# Altium PCB B38_PCB.PcbDoc (part 2 of 2)
Units mil, origin at the board's own origin, x right, y up, seen from the top; angles counter-clockwise.
Board outline 3051.18 x 3503.94 mil, 2 copper layers (Top Layer, Bottom Layer), stack 42.17 mil thick; 131 components, 125 nets, 478 pads, 141 vias.
Unrouted connection lines stored in the file: 3.
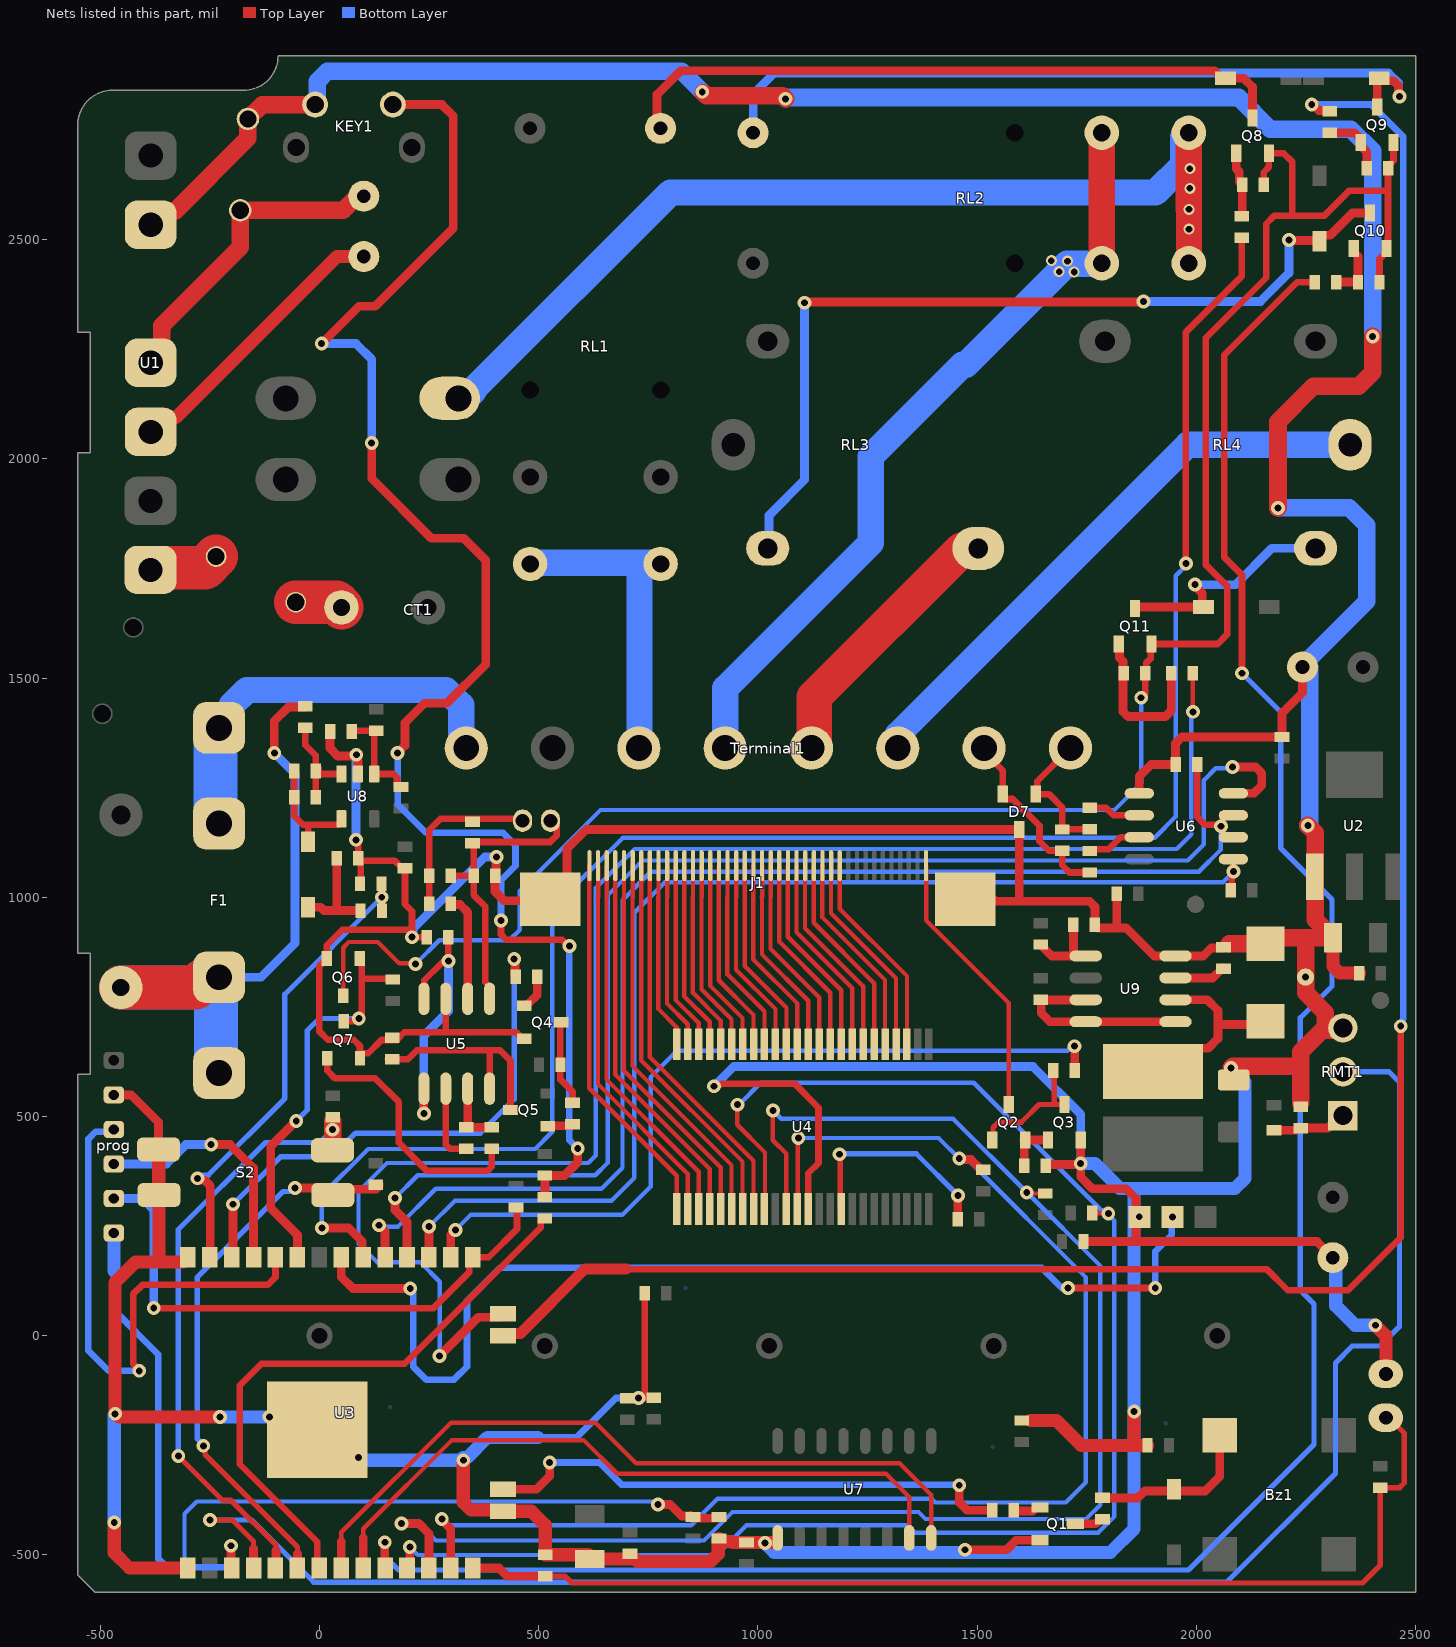
[diagram p2: the nets of this part, all layers, seen from the top]

## Via types
v1: diameter 31.5, hole 15.75, Top Layer to Bottom Layer, tented both sides, 118 vias
v2: diameter 25, hole 15, Top Layer to Bottom Layer, tented both sides, 19 vias
v3: diameter 23.62, hole 15.75, Top Layer to Bottom Layer, tented bottom, 3 vias
v4: diameter 25, hole 15, Top Layer to Bottom Layer, 1 vias

## Nets (pads, with @x,y where several pads share a name; then routed paths per layer and width w, separated by ;. In a path a pad name is that pad's centre, name@x,y a point inside that pad or via, vN(x,y) a via of type N, cw(c..) or ccw(c..) an arc to the next point about the centre after c; other vN are vias at no path point) (continued)
GND: C1.2 C3.1 C4.1 C5.1 C6.2 C7.1 C8.1 C9.1 C10.2 C13.2 C14.2 C15.1 C16.1 C17.2 C18.1 C19.1 C20.1 C21.1 C22.1 C23.2 C24.2 C26.2 C27.2 C28.2 CY2.2 D7.3 D9.1 GND1.1 J1.0 KEY1.1 pad.4 prog.2 Q1.2 Q3.2 Q4.2 Q6.2 Q7.2 R10.1 R15.2 R30.2 R39.1 R40.1 R43.2 RMT1.3 S1.2 S2.3 S2.4 U1.5 U2.1 U3.0 U3.1 U3.15 U3.38 U4.13 U5.3 U6.5 U7.9 U8.2 U9.4 | length 20670.7
  Top Layer w10: S2.4@-366.53,321.53 S2.4@-366,321 ; C13.2@400.5,1049 C13.2@402.25,1050.75 ; v1@402.25,1090.25 v1(404,1092) ; J1.0@523.06,992 J1.0@526.28,995.23 ; J1.0@1472.74,995.23 1482.51,1005 1489.51,998 J1.0@1534,998
  Top Layer w15: v1(83,1131) 83,1125 88.5,1119.5 C26.2@88.5,1089 ; C26.2@90.31,1083 90.31,1082.27 94.32,1078.26 R39.1@94.32,1036 ; Q7.2@92.4,632.68 Q7.2@92.4,637.6 ; C26.2@94.32,1083 172,1083 186.69,1068.31 193.19,1068.31 C24.2@195,1066.5 195,984 211,968 v1(211,909) C14.2@244.5,909 ; 208.8,926 52,926 16.6,890.6 16.6,855.4 12.29,851.09 7.79,851.09 -1,842.3 -1,695 19,675 78,675 92.4,660.6 Q7.2@92.4,637.6 ; U5.3@288.12,768.36 288.12,692 ; Q4.2@466.68,677.6 461.76,677.6 454.95,684.41 454.95,686.14 449.09,692 288.12,692 ; v1(727.6,-142) 741.33,-142 741.5,-141.83 C21.1@741.5,97 ; v1(900,569) 903.16,572.16 914.19,572.16 917.03,575 1083,575 1138,520 1138,393.54 1114.88,370.42 U4.13@1114.88,288.82 ; Q7.2@92.4,637.6 99.21,644.41 111.41,644.41 141.5,674.5 175.92,674.5 193.42,692 288.12,692
  Top Layer w20: prog.2@-469,549.22 -468.91,549.13 -429.13,549.13 -367.03,487.03 S2.3@-367,425 ; R40.1@24.17,1372 24.17,1339.83 42,1322 v1@77,1322 ; U8.2@87.54,1281.18 v1@87.54,1311.46 ; C13.2@400.5,1049 400.5,1012.5 421,992 J1.0@523.06,992 ; C13.2@402.25,1050.75 v1@402.25,1090.25 ; J1.0@526.28,995.23 564.63,1033.57 564.63,1110.63 608.65,1154.65 D7.3@1596,1154.65 1596,991 ; v1(1472,-488) 1567,-488 1588.6,-466.4 Q1.2@1642.96,-466.4 ; J1.0@1534,998 1541,991 1596,991 ; C22.1@1601.39,-193.18 1622.06,-193.18 ; R10.1@1656.5,390.8 1733.8,390.8 v1(1736,393) ; Q3.2@1738,448.25 1736.2,446.45 1736.2,393.2 v1(1736,393) ; C10.2@1742.5,215 1862,215 ; 1818.5,936 C15.1@1818.5,1008 ; U6.5@1869.72,1237 1869.72,1275.72 1897,1303 R30.2@1952.5,1303 1952.5,1351.5 1966.5,1365.5 C3.1@2195,1365.5 2195,1420.01 2242.12,1467.13 C1.2@2242.12,1525 ; C27.2@2075.16,894.5 2066.82,886.16 C27.2@2061.89,886.16 2060.08,884.35 2033.63,884.35 2015.46,866.18 U9.4@1952.27,866.18 1903.82,866.18 1839.97,930.03 1775.52,930.03 1775.12,930.43 1770.2,930.43 1768.39,932.24 R43.2@1768.39,937.16 1768.39,978.61 1756,991 1596,991 ; D9.1@2157,894.5 D9.1@2170.5,908 ; 2248.89,902.89 2254,908 ; C6.2@2311.02,189.69 2300.04,189.69 2274.72,215 1862,215 ; v1(1736,393) 1736,362 1762.5,335.5 1839.5,335.5 1862,313 1862,215
  Top Layer w30: v1(-468,-426) -468,-495 -433.28,-529.72 U3.1@-300.4,-529.72 ; S2.4@-366.53,321.53 S2.3@-366.53,424.53 ; -366.03,172 S2.4@-366,321 ; U3.38@-300.4,178.94 -300.4,173.04 -303.12,170.32 -309.02,170.32 -311.34,168 -420,168 -466.29,121.71 -466.29,-177.71 -465.71,-178.29 -463.97,-178.29 -457.25,-185 v1(-227,-185) ; v1@328,-284.4 328,-379.94 345.57,-397.51 415.94,-397.51 U3.15@418.65,-400.23 483.23,-400.23 515,-432 C16.1@515,-499.5 613.32,-499.5 C9.1@616,-502.18 ; C9.1@616,-509.18 719.68,-509.18 725.5,-515 891.66,-515 909.26,-497.4 909.26,-464.23 C7.1@911,-462.5 917.81,-469.31 940.07,-469.31 942.26,-471.5 C23.2@974,-471.5 U7.9@1038.71,-471.5 ; 1622.06,-193.18 1680.19,-193.18 1737,-250 1858,-250 ; v1(1858,-173) 1858,-250 ; C18.1@1888.5,-250 1858,-250 ; C4.1@2311.82,908 2311.82,842.18 2326.92,827.08 C5.1@2371.2,827.08 ; v1(2408,24) 2432,0 S1.2@2432,-87
  Top Layer w40: U1.5@-374.71,2519.25 -374.71,2536.22 -346.52,2564.41 -329.55,2564.41 -163.25,2730.71 CY2.2@-163.25,2775.24 -130.61,2807.88 KEY1.1@-9.85,2807.88 ; v1@875,2835 882,2828 1056,2828 v1(1063,2821) ; C27.2@2075.16,894.5 D9.1@2157,894.5 ; v1(2079,611) 2083,615 2238,615 ; D9.1@2170.5,908 2254,908 C4.1@2311.82,908 2311.82,920.8 2311.15,921.46 2298.35,921.46 2271,948.82 2271,1147 v1(2254,1164) ; v1(2186,1888) 2186,2085 2266,2165 2370,2165 2402,2197 v1(2402,2279) ; C17.2@2238,531.46 2238,615 ; 2248.89,902.89 v3(2248.89,817.95) 2248.89,781.97 2293.86,737 2293.86,703.86 2286.85,696.85 ; RMT1.3@2334,702 2328.85,696.85 2286.85,696.85 ; 2238,615 2238,648 2274.51,684.51 2286.85,696.85
  Bottom Layer w10: v1@83,1324 v1(84,1325)
  Bottom Layer w15: 498.56,-231.99 586.01,-231.99 676,-142 v1(727.6,-142)
  Bottom Layer w20: v1(83,1131) v1@83,1324 ; v1(211,909) 213.2,911.2 213.2,928.2 377,1092 v1(404,1092) ; v1(900,569) 945,614 1627,614 1736,505 v1(1736,393)
  Bottom Layer w30: v1(-468,-426) -468,-180.4 v1@-466,-178.4 ; v1@-226.97,-184.97 v1(-113.84,-184.93) ; v1(89,-278) 89.4,-278 95.4,-284 v1(328,-284) ; v1@328,-278 337,-278 383.01,-231.99 498.56,-231.99 ; v1(1016,-473) 1037,-494 1255,-494 1804,-494 1858,-440 v1(1858,-173) 1858,336 ; v1(1736,393) 1768,393 1825,336 1858,336 ; v1(2079,611) 2111,579 2111,359 2088,336 1858,336 ; C6.2@2317.89,174.59 2317.89,68.11 2362,24 v1(2408,24)
  Bottom Layer w40: KEY1.1@-9.85,2807.88 -5.27,2812.46 -5.27,2860.57 18.16,2884 826,2884 v1(873,2837) ; v1(1063,2821) 1066,2824 2096.12,2824 2168.12,2752 2352.12,2752 2402,2702.12 v1(2402,2279) ; v1(2186,1888) 2349,1888 2388.58,1848.42 2388.58,1675.2 2250.33,1536.95 2250.33,1531.04 C1.2@2256.38,1525 ; v1(2254,1164) 2258,1168 C1.2@2258,1525
  other v1: -466,-178
  other v4: 1870,271
GND-RELAY: Q6.3 Q8.2 Q9.2 Q10.2 Q11.2 R23.2 R24.2 R25.2 R26.2 | length 4603.6
  Top Layer w10: Q6.3@54,775.68 54,885 67,898 133,898 181.76,849.24 217.76,849.24 v1(219,848)
  Top Layer w15: v1(1874,1455) 1883.5,1464.5 R26.2@1883.5,1511 1885.31,1512.81 1885.31,1534.36 1895.59,1544.64 1895.59,1575.83 Q11.2@1897.4,1577.65 2048.65,1577.65 2070,1599 2070,1710 2021,1759 2021,2275 2159,2413 2159,2536 2177,2554 2219,2554 ; R23.2@2153.5,2625 2153.5,2653.5 2165.4,2665.4 Q8.2@2165.4,2696.65 2199.35,2696.65 2219,2677 2219,2554 ; R25.2@2417.5,2403 2417.5,2455.87 2435.21,2473.58 2435.21,2498.81 2436.93,2500.52 2436.93,2611 ; Q9.2@2449.4,2721.65 2449.4,2679.83 2436.93,2667.35 2436.93,2611 ; 2219,2554 2291,2554 2348,2611 2436.93,2611
  Bottom Layer w10: v1(219,848) 273,902 433,902 457,926 457,1015 641,1199 1813,1199 1874,1260 v1(1874,1455)
GPIO0: prog.5 R4.1 U3.25 | length 1297.4
  Top Layer w10: prog.5@-469,313 prog.5@-466,313
  Top Layer w15: v1(-378,63) 260.01,63 341.2,144.18 341.2,170.54 U3.25@349.6,178.94 385.94,178.94 450.41,243.41 450.41,290.09 R4.1@448,292.5
  Bottom Layer w20: prog.5@-469,313 -404,313 -378,287 v1(-378,63)
LCD-CATHODE: J1.1 Q2.3 | length 622.8
  Top Layer w10: J1.1@1383.37,1072 1383.37,947.63 1572,759 Q2.3@1572,527.35
NetBz1_2: Bz1.2 D2.1 R1.1 | length 381.3
  Top Layer w20: R1.1@1785.81,-369.75 1866.25,-369.75 1882,-354 1949,-354 2020,-354 2053.17,-320.83 Bz1.2@2053.17,-227.18
NetC2_1: C2.1 U1.3 | length 614.9
  Top Layer w30: U1.3@-360,2061.52 -360,2075.79 -341.9,2093.88 -327.63,2093.88 39.58,2461.1 C2.1@81,2461.1
NetC11_1: C11.1 R17.2 U5.7 | length 147.4
  Top Layer w20: U5.7@338,563.64 338,478.49 C11.1@335,475.5 R17.2@393,475.5
NetC11_2: C11.2 U5.6 | length 178.6
  Top Layer w15: U5.6@288,563.64 288,436 297.5,426.5 C11.2@335,426.5
NetC12_1: C12.1 CT1.2 R16.2 R18.1 | length 413.7
  Top Layer w15: R16.2@250.5,977 R18.1@250.5,1049 250.5,1153.5 276,1179 CT1.2@477.16,1179
NetC12_2: C12.2 C13.1 CT1.1 R18.2 U5.1 | length 660.5
  Top Layer w15: R18.2@299.5,1049 C13.1@351.5,1049 ; U5.1@388,768.36 388,796.22 378,806.22 378,979 351.5,1005.5 C13.1@351.5,1049 ; CT1.1@540.9,1179 540.9,1140.9 526,1126 351.5,1126 C12.2@349,1123.5 351.5,1121 C13.1@351.5,1049
NetC14_1: C14.1 U5.4 U5.5 | length 616.6
  Top Layer w15: U5.4@238.12,749.76 239.1,750.75 239.1,810.65 279.33,850.89 289.89,850.89 v1(294,855) 293.75,855.25 293.75,908.74 C14.1@293.5,909
  Top Layer w20: v1(238,507) U5.5@238,563.64
  Bottom Layer w20: v1(238,507) 238,684.24 294,740.24 v1(294,855)
NetC16_2: C16.2 R32.1 S1.1 U3.14 | length 2507.5
  Top Layer w12: C16.2@515,-548.5 515.24,-548.73 560.73,-548.73 576,-564 2379,-564 2419,-524 R32.1@2419,-346.5 2463.5,-346.5 2474,-336 2474,-222.11 2446.89,-195 2440,-195 S1.1@2432,-187
  Top Layer w20: U3.14@349.6,-529.72 409.14,-529.72 427.92,-548.5 C16.2@515,-548.5
NetC17_1: C17.1 L2.1 RMT1.1 | length 162
  Top Layer w20: L2.1@2177,468.91 2228.48,468.91 2233.08,473.5 C17.1@2238,473.5 2299.5,473.5 2310.54,484.54 RMT1.1@2310.54,506.54
NetC25_1: C25.1 R35.1 R36.2 U8.3 | length 242.6
  Top Layer w15: R36.2@-32.34,1386.5 -32.34,1347.34 -8.5,1323.5 C25.1@-8.5,1287.87 ; R35.1@-8.5,1227.87 -8.5,1287.45 -1.69,1294.26 -1.69,1281.18 U8.3@50.14,1281.18
NetC25_2: C25.2 D8.1 R35.2 U8.4 | length 268.2
  Top Layer w15: C25.2@-57.5,1287.87 R35.2@-57.5,1227.87 -57.5,1185.5 -37,1165 -22,1165 ; D8.1@-26,1126.8 -26,1161 -22,1165 ; U8.4@50.14,1178.82 50.14,1173.81 43.33,1167 43.33,1165 -22,1165
NetC26_1: C26.1 D8.2 R52.2 | length 246.9
  Top Layer w20: D8.2@-31,977.2 2.5,977.2 9.7,970 39.5,970 ; C26.1@39.5,1089 39.5,970 ; R52.2@93.5,969 92.5,970 39.5,970
NetC27_1: C27.1 U9.3 | length 117.3
  Top Layer w20: U9.3@1952.27,816.18 2037.1,816.18 2055.16,834.24 2055.16,835.35 2058.48,838.67 C27.1@2059.59,838.67
NetD3_1: D3.1 Q8.3 RL1.1 | length 1543.5
  Top Layer w20: RL1.1@770,2753.85 770,2831 824,2885 2041.32,2885 2058.32,2868 2108,2868 2128,2848 Q8.3@2128,2777.35
NetD4_1: D4.1 Q9.3 RL2.1 | length 1764.3
  Top Layer w20: Q9.3@2412,2802.35 2412.4,2802.76 2412.4,2867.6 D4.1@2412.8,2868 ; D4.1@2416.8,2868 2422.55,2862.25 2448.97,2862.25 2460.8,2850.42 2460.8,2828.2 v1(2463,2826)
  Bottom Layer w20: RL2.1@989,2743.64 989,2832 1037,2880 2438.16,2880 2460.8,2857.36 2460.8,2828.2 v1(2463,2826)
NetD5_1: D5.1 Q10.3 RL3.2 | length 2020.4
  Top Layer w20: v1(1106,2356) 1107.5,2357.5 1877.5,2357.5 v1(1879,2359) ; v1(2211,2499) 2212.4,2497.6 2279.6,2497.6 D5.1@2281,2496.2 2281,2504.07 2286.75,2509.82 2304.82,2509.82 2355.35,2560.35 Q10.3@2396,2560.35
  Bottom Layer w20: RL3.2@1022.21,1795.78 1025.44,1799.01 1025.44,1871.44 1106,1952 v1(1106,2356) ; v1(1879,2359) 2146,2359 2211,2424 v1(2211,2499)
NetD6_1: D6.1 Q11.3 RL4.5 | length 526.8
  Top Layer w20: Q11.3@1860,1658.35 1860,1660.19 1861.81,1662 D6.1@2016.2,1662 2013.4,1664.8 2013.4,1693.49 1997,1709.89 v1(1997,1713)
  Bottom Layer w20: v1(1997,1713) 2089,1713 2171.78,1795.78 RL4.5@2271.79,1795.78
NetD9_2: D9.2 L3.1 U9.2 | length 466
  Top Layer w20: L3.1@1896,602.68 1948.99,655.67 2026.69,655.67 2049.16,678.14 2049.16,709.99 ; U9.2@1952.27,766.18 2024.82,766.18 2049.16,741.84 2049.16,709.99 ; D9.2@2157,717.5 2149.49,709.99 2049.16,709.99
NetF1_1: F1.1 R36.1 R37.2 | length 1488.1
  Top Layer w20: v1(-103,1329) -103,1402 -71.32,1433.68 -34.15,1433.68 R36.1@-32.34,1435.49
  Top Layer w100: R37.2@-452.46,794.15 -282.56,794.15 -268.16,808.55 -238.06,808.55 F1.1@-229,817.61
  Bottom Layer w20: F1.1@-229,817.61 -133.39,817.61 -56,895 -56,1282 v1(-103,1329)
  Bottom Layer w100: R37.2@-453,794.15 -282.56,794.15 -268.16,808.55 -238.06,808.55 F1.1@-235.69,810.92 ; F1.1@-235.69,605.79 F1.1@-235.69,810.92 ; F1.1@-229,817.61 F1.1@-235.69,810.92
NetF1_2: F1.2 Terminal1.1 | length 952
  Bottom Layer w60: F1.2@-237.53,1173.84 F1.2@-229.53,1165.84 ; F1.2@-237.53,1384.34 -229.53,1384.34 -200.47,1413.4 -200.47,1437.69 -165.33,1472.84 287.97,1472.84 323.12,1437.69 323.12,1349.18 Terminal1.1@334.11,1338.2
  Bottom Layer w100: F1.2@-237.53,1173.84 F1.2@-237.53,1384.34
NetKEY1_2: KEY1.2 R33.2 R34.2 | length 3550.7
  Top Layer w15: v1(414,947) 414,914.86 425.86,903 553.39,903 567.39,889 v1(570,889)
  Top Layer w20: v1(5,2263) 90,2348 127,2348 305,2526 305,2782 279.12,2807.88 KEY1.2@167.32,2807.88 ; v1(119,2036) 119,1955 255,1819 329,1819 379,1769 379,1531 290.44,1442.44 239.44,1442.44 195,1398 195,1346.46 178,1329.46 v1(178,1329) ; R34.2@514,316.5 R33.2@514,365.5 558.5,365.5 589,396 v1(589,427)
  Bottom Layer w15: v1(178,1329) 178,1212 243,1147 418.61,1147 447,1118.61 447,1072 414,1039 v1(414,947) ; v1(570,889) 570,446 v1(589,427)
  Bottom Layer w20: v1(5,2263) 83,2263 119,2227 v1(119,2036)
NetL1_2: L1.2 NTC1.1 | length 109.3
  Top Layer w100: NTC1.1@-54.22,1673.01 38.14,1673.01 L1.2@50.15,1661
NetNTC1_2: NTC1.2 U1.1 | length 162.2
  Top Layer w100: U1.1@-385.4,1746.56 -380.28,1751.68 -261.09,1751.68 NTC1.2@-235.78,1776.99
NetQ1_1: Q1.1 R2.1 | length 60.5
  Top Layer w20: R2.1@1585.81,-399.75 1626.94,-399.75 1635.09,-391.6 Q1.1@1642.96,-391.6
NetQ1_3: Q1.3 R1.2 | length 66.4
  Top Layer w20: Q1.3@1723.67,-429 1770.62,-429 1780.89,-418.74 R1.2@1785.81,-418.74
NetQ2_1: Q2.1 Q3.3 R9.1 | length 276.3
  Top Layer w12: Q2.1@1531.6,446.65 1535.98,451.02 1535.98,474.98 1548,487 1600.39,487 1640.74,527.35 1675.44,527.35 ; 1673.5,588 1675.44,586.07 1675.44,527.35 ; Q3.3@1699,527.35 1675.44,527.35
NetQ2_2: Q2.2 Q3.1 R10.2 | length 102
  Top Layer w20: Q2.2@1606.4,446.65 Q3.1@1659.79,446.65 ; R10.2@1607.5,388 Q2.2@1607.5,436.63
NetQ4_1: Q4.1 R12.2 | length 81.8
  Top Layer w20: Q4.1@466.68,752.4 468.49,754.21 473.41,754.21 496.5,777.3 R12.2@496.5,819
NetQ4_3: Q4.3 R11.1 R13.2 | length 195.7
  Top Layer w15: Q4.3@551.32,715 549.5,713.17 R11.1@549.5,618 549.5,584.5 577,557 R13.2@577,531.5
NetQ5_1: Q5.1 R13.1 | length 51.7
  Top Layer w20: Q5.1@526.72,479 573.49,479 R13.1@577,482.5
NetQ5_3: Q5.3 R15.1 U5.8 | length 498.1
  Top Layer w15: R15.1@155.65,630.5 R15.1@166,630.5 201.59,630.5 222.09,651 388,651 ; U5.8@388.12,563.64 388.12,650.88 388,651 ; Q5.3@435.68,515 435.68,627.32 412,651 388,651
NetQ6_1: Q6.1 Q7.3 R14.2 U3.33 | length 953.2
  Top Layer w15: Q7.3@55,717.32 83.32,717.32 v1(89.66,723.66) 96,730 96,817 ; Q6.1@91.4,860.32 96,855.72 96,817 ; R14.2@164,814.5 98.5,814.5 96,817
  Top Layer w20: v1(-53,490) -111,432 -111,291 -50.4,230.4 U3.33@-50.4,178.94
  Bottom Layer w12: v1(-53,490) -28,515 -28,696 -0.34,723.66 v1(89.66,723.66)
NetQ7_1: Q7.1 R17.1 | length 596.6
  Top Layer w15: Q7.1@17.6,632.68 17.6,604.85 35.45,587 127,587 181,533 181,440 245,376 383,376 392.59,385.59 R17.1@392.59,426.1
NetQ8_1: Q8.1 R19.1 R23.1 | length 149.5
  Top Layer w20: Q8.1@2090.6,2696.65 2090.6,2661.4 2097.69,2654.31 2097.69,2631.81 R23.1@2104.5,2625 2104.5,2555 R19.1@2103,2553.5
NetQ9_1: Q9.1 R20.1 R24.1 | length 148.9
  Top Layer w20: R20.1@2304,2743.5 2360.61,2743.5 2374.6,2729.52 2374.6,2713.77 2376.41,2711.96 2376.79,2711.96 2388.5,2700.24 R24.1@2388.5,2663
NetQ10_1: Q10.1 R21.1 R25.1 | length 130.3
  Top Layer w20: R21.1@2319,2403 R25.1@2368.5,2403 2368.5,2461.87 2358.6,2471.77 Q10.1@2358.6,2479.65
NetQ11_1: Q11.1 R22.1 R26.1 | length 381.4
  Top Layer w10: Q11.1@1815.79,1592.33 1822.6,1585.52 Q11.1@1822.6,1577.65
  Top Layer w20: Q11.1@1822.6,1577.65 1824.41,1575.83 1824.41,1546.59 1832.69,1538.31 1832.69,1511 1832.69,1423.72 1844.41,1412 1929,1412 1942.5,1425.5 R22.1@1942.5,1511
NetR2_2: R2.2 U3.16 | length 1227.4
  Top Layer w20: U3.16@418.65,-350.23 494.77,-350.23 525,-320 v1(525,-289) ; v1(1459,-341) 1459,-380 1477,-398 R2.2@1534.5,-398
  Bottom Layer w15: v1(525,-289) 638,-289 688.5,-339.5 1457.5,-339.5 v1(1459,-341)
NetR5_2: R5.2 U3.11 U4.9 | length 3704.2
  Top Layer w10: v1(953,527) 953,481 1016.11,417.89 1016.11,290.05 U4.9@1014.88,288.82 ; R5.2@1762.5,280 1763.5,279 v1(1799,279)
  Top Layer w20: U3.11@199.6,-529.72 206,-523.32 v1(206,-482)
  Bottom Layer w10: v1(206,-482) 224,-500 905.9,-500 973.9,-432 1341,-432 1358,-449 1776.33,-449 1813,-412.33 1813,262.39 1799,276.39 v1(1799,279) 1793.18,279 1785.94,286.24 1782.76,286.24 1492,577 1006.61,577 956.61,527 v1(953,527)
NetR6_2: R6.2 U3.12 U4.11 | length 3527.1
  Top Layer w10: v1(1034,514) 1034,446 1064.88,415.12 U4.11@1064.88,288.82 ; v1(1612.99,327) 1615.5,324.5 R6.2@1655,324.5
  Top Layer w20: v1(187,-428) 226,-428 249.6,-451.6 U3.12@249.6,-529.72
  Bottom Layer w10: v1(187,-428) 226,-428 265,-467 877,-467 942,-402 1366,-402 1382,-418 1748.27,-418 1781,-385.27 1781,158.99 v1(1612.99,327) 1444.99,495 1053,495 v1(1034,514)
NetR7_2: R7.2 U3.13 U4.12 | length 3125.9
  Top Layer w10: U4.12@1089.84,288.82 1090.92,289.9 1090.92,449.92 v1(1092,451)
  Top Layer w20: v1(279,-418) 279,-420.29 299.6,-440.89 U3.13@299.6,-529.72 ; v1(1459,404) 1461.2,401.8 1485.77,401.8 1509.08,378.5 R7.2@1514,378.5
  Bottom Layer w10: v1(279,-418) 281.61,-418 295.61,-432 848,-432 908,-372 1396,-372 1404.29,-380.29 1701.71,-380.29 1748,-334 1748,133 1479.74,401.26 1461.74,401.26 1412,451 v1(1092,451)
NetR8_2: R8.2 U4.16 | length 490.7
  Top Layer w12: v1(1186,414) 1187.92,412.08 1187.92,290.74 U4.16@1189.84,288.82
  Top Layer w20: R8.2@1455.5,266 1455.5,319.5 v1(1456,320)
  Bottom Layer w12: v1(1186,414) 1187,415 1361,415 v1(1456,320)
NetR9_2: R9.2 U3.26 | length 1854
  Top Layer w10: v1(1722.25,660.44) v1@1722.37,660.32 ; R9.2@1722.37,605.13 R9.2@1722.5,605
  Top Layer w20: U3.26@299.6,178.94 299.6,230.6 v1(310,241) ; R9.2@1722.37,605.13 v1@1722.37,660.32
  Bottom Layer w10: v1(310,241) 344.66,275.66 690.66,275.66 755.5,340.5 755.5,589.91 815.59,650 1705.99,650 1716.43,660.44 v1(1722.25,660.44)
NetR12_1: R12.1 U3.36 | length 1223.7
  Top Layer w20: U3.36@-200.4,178.94 -197,182.34 v1(-197,300) ; v1(444,859) 445.75,857.25 445.75,820.76 R12.1@447.5,819
  Bottom Layer w12: v1(-197,300) -89,408 28,408 82,462 366.67,462 444,539.33 v1(444,859)
NetR16_1: R16.1 U5.2 | length 262.7
  Top Layer w20: R16.1@299.5,985 300.94,983.55 320.45,983.55 338.12,965.88 U5.2@338.12,749.76
NetR19_2: R19.2 U3.30 | length 4202.5
  Top Layer w15: v1(1976,1761) 1976,2289 2103,2416 R19.2@2103,2504.5
  Top Layer w20: v1(6,246) 66.31,246 97.31,214.99 97.31,181.23 U3.30@99.6,178.94
  Bottom Layer w10: v1(6,246) 5.4,246.6 5.4,320.4 111,426 492,426 531,465 531,975 692,1136 1905,1136 1953,1184 1953,1733.44 1976,1756.44 v1(1976,1761)
NetR20_2: R20.2 U3.23 | length 4979.8
  Top Layer w15: 699,152 2160,152 2208.31,103.69 2345.69,103.69 2466,224 v1(2466,706)
  Top Layer w20: v1(2263,2808) 2266.11,2808 2279.8,2794.31 2302.19,2794.31 R20.2@2304,2792.5
  Top Layer w25: U3.23@418.65,-0.23 423.87,4.99 457.99,4.99 605,152 699,152
  Bottom Layer w15: v1(2263,2808) 2398,2808 2472,2734 2472,722.61 2470.11,720.72 2470.11,710.11 v1(2466,706)
NetR21_2: R21.2 U3.10 | length 5246.1
  Top Layer w10: U3.10@149,-529.12 U3.10@149.6,-529.72
  Top Layer w15: v1(2104,1511) 2104,1735 2063,1776 2063,2236.08 2229.92,2403 R21.2@2270.01,2403
  Top Layer w20: U3.10@149,-529.12 v1(149,-471)
  Bottom Layer w12: v1(149,-471) 150.01,-472.01 150.01,-504.01 180,-534 1982,-534 2268,-248 2268,72 2237,103 2237,725.11 2309,797.11 2309,995 2192,1112 2192,1423 v1(2104,1511)
NetR22_2: R22.2 U3.24 | length 3656.8
  Top Layer w10: R22.2@1991.5,1511 1991.75,1510.75 1991.75,1423.25 v1(1992,1423)
  Top Layer w20: v1(274,-46) 362.05,42.05 410.94,42.05 U3.24@418.65,49.77
  Bottom Layer w10: v1(274,-46) 274,123 229,168 131.16,168 89,210.16 89,329 154,394 613,394 630,411 630,1021.21 718.79,1110 1955,1110 1988.49,1143.49 1988.49,1419.49 v1(1992,1423)
NetR28_1: R28.1 U6.7 | length 125.9
  Top Layer w15: R28.1@1756.88,1105.5 1760.95,1109.56 1799.56,1109.56 1827,1137 U6.7@1869.72,1137
NetR31_1: R31.1 U6.6 | length 119.8
  Top Layer w15: R31.1@1756.88,1203.92 1794.08,1203.92 1811,1187 U6.6@1869.72,1187
NetR34_1: R34.1 U3.7 | length 1354.8
  Top Layer w15: U3.7@-0.4,-529.72 -4.98,-525.14 -4.98,-470.02 -181.77,-293.23 -181.77,-113.22 -132.56,-64 194.2,-64 504.76,246.56 504.76,263.19 509.08,267.5 R34.1@514,267.5
NetR38_2: R38.2 R40.2 R51.1 U8.1 | length 231.4
  Top Layer w15: R40.2@73.5,1378 74.99,1379.5 124.74,1379.5 124.95,1379.3 U8.1@124.95,1281.18 ; U8.1@126.85,1281.18 167.98,1281.18 176.77,1272.39 176.77,1255.81 181.08,1251.5 R51.1@186,1251.5
NetR41_1: R41.1 U9.1 U9.7 U9.8 | length 447.5
  Top Layer w20: R41.1@1644.89,766.66 1645.89,765.66 R41.1@1645.89,765.49 ; U9.7@1747.55,766.18 1746.86,765.49 R41.1@1645.89,765.49 ; U9.1@1952.27,716.18 1665.87,716.18 1645.89,736.16 R41.1@1645.89,765.49
NetR42_1: R42.1 R43.1 U9.5 | length 181.5
  Top Layer w20: R42.1@1643.08,893.98 R42.1@1644.89,892.16 ; R42.1@1647.15,888.81 1669.78,866.18 U9.5@1721.66,866.18 ; U9.5@1719.4,868.49 R43.1@1719.4,937.16 ; U9.5@1722.09,868.49 1724.4,866.18 U9.5@1747.55,866.18
NetRL1_2: RL1.2 Terminal1.3 | length 722.4
  Top Layer w40: Terminal1.3@728.34,1340.36 Terminal1.3@729.15,1341.17
  Bottom Layer w60: RL1.2@482.01,1762.8 720.64,1762.8 ; Terminal1.3@729.98,1343.01 729.98,1753.46 720.64,1762.8 ; RL1.2@779.64,1762.8 720.64,1762.8
NetRL2_3: RL2.3 Terminal1.4 | length 1811.2
  Top Layer w60: RL2.3@1784.28,2446 RL2.3@1784.28,2743.64
  Bottom Layer w40: RL2.3@1782.27,2741.63 RL2.3@1784.28,2743.64
  Bottom Layer w60: Terminal1.4@925.37,1341.58 925.37,1476.41 1257.18,1808.22 1257.18,2005.22 1466.57,2214.61 1474.61,2214.61 1705,2445 1783.28,2445 RL2.3@1784.28,2446
  other v2: 1721,2426 1687,2427 1706,2451 1669,2452
NetRL3_3: RL3.3 Terminal1.5 | length 633.3
  Top Layer w80: Terminal1.5@1122.04,1340.36 1128.28,1346.6 1128.28,1456.16 1464.37,1792.25 1499,1792.25 RL3.3@1502.53,1795.78
NetRL4_1: RL4.1 Terminal1.6 | length 1336
  Bottom Layer w60: Terminal1.6@1318.89,1340.36 1318.89,1370.89 1980,2032 RL4.1@2350.53,2032
NetRMT1_2: RMT1.2 U3.4 | length 4037.7
  Top Layer w12: v1(-250,-420) -199,-420 -150.4,-468.6 -150.4,-486
  Top Layer w20: U3.4@-150.4,-529.72 -150.4,-486
  Bottom Layer w12: v1(-250,-420) -155,-420 -13,-562 2069,-562 2317,-314 2317,-62 2355.5,-23.5 2418.5,-23.5 2463,21 2463,578 2439,602 RMT1.2@2334,602
NetU3_8: U3.8 U7.16 | length 1696.5
  Top Layer w10: 49.6,-469 49.6,-448.4 299.79,-198.21 629.21,-198.21 722,-291 1323,-291 1395,-363 U7.16@1395,-460.91
  Top Layer w20: U3.8@49.6,-529.72 49.6,-469
NetU3_9: U3.9 U7.15 | length 1565.3
  Top Layer w10: 99.6,-461 99.6,-440.4 302,-238 602,-238 679,-315 1292,-315 1345,-368 U7.15@1345,-460.91
  Top Layer w20: U3.9@99.6,-529.72 99.6,-461
NetU3_31: pad.3 U3.31 | length 2490.3
  Top Layer w10: v1(1945.5,270.5) pad.3@1945.5,271
  Top Layer w15: v1(1707.4,108.97) 1905.81,108.97 v1(1906.07,108.7)
  Top Layer w20: U3.31@49.6,178.94 49.6,134 75.6,108 v1(207,108)
  Bottom Layer w15: v1(207,108) 207,103.54 214.12,96.42 214.12,-71.12 243,-100 306.88,-100 336.36,-70.51 336.36,79.36 412,155 1646.77,155 1692.81,108.97 v1(1707.4,108.97) ; v1(1906.07,108.7) 1906.07,192.22 1943.92,230.08 1943.92,268.92 v1(1945.5,270.5)
NU-RCCB-OUT: CT1.5 RL2.2 | length 2242.9
  Top Layer w60: RL2.2@1982.7,2446 1983,2446.3 1983,2568.7 1982.7,2569 RL2.2@1982.7,2743.64
  Bottom Layer w60: CT1.5@325.12,2128.27 352.46,2155.61 352.46,2159.56 800.37,2607.47 1906.37,2607.47 1969.66,2670.75 1969.66,2733.69 RL2.2@1977.07,2741.1
  other v2: 1983,2524 1983,2569 1984.85,2616.85 1984.85,2661.85
PGND: C2.2 CY2.1 U1.4 | length 706.3
  Top Layer w40: U1.4@-360,2219 -360,2303 -180.75,2482.25 CY2.1@-180.75,2566.76 54.6,2566.76 80.84,2592.99 86.74,2592.99 C2.2@86.74,2598.9
RS485_DIR: R30.1 U3.29 U6.2 U6.3 | length 3043.8
  Top Layer w15: R30.1@2001.5,1303 2001.5,1183.5 2019.84,1165.16 2052.58,1165.16 v1(2055.74,1162) 2060.92,1167.18 2060.92,1171.31 2060.98,1171.37 2060.98,1183.02 2064.96,1187 U6.3@2084.28,1187 ; v1@2058.9,1161.61 2058.9,1152.69 2060.98,1150.61 2060.98,1140.98 2064.96,1137 U6.2@2084.28,1137
  Top Layer w20: v1(136,252) 136,251.89 149.6,238.29 U3.29@149.6,178.94
  Bottom Layer w10: v1(136,252) 139,249 179,249 265,335 643,335 691,383 691,993.29 755.71,1058 2005,1058 2055.74,1108.74 v1(2055.74,1162)
RS485_N: D7.2 R28.2 R29.2 Terminal1.7 | length 438.8
  Top Layer w15: Terminal1.7@1515.74,1340.36 1515.74,1331.42 1558.6,1288.56 1558.6,1228.53 1562.91,1224.22 1580.78,1224.22 1642,1163 1642,1128 1664.28,1105.72 R29.2@1693.89,1105.72 1693.89,1073 1710.39,1056.5 R28.2@1756.88,1056.5
RS485_P: D7.1 R29.1 R31.2 Terminal1.8 | length 324.1
  Top Layer w15: Terminal1.8@1712.6,1340.36 1636.96,1264.72 1636.96,1238.91 D7.1@1633.4,1235.35 1663.65,1235.35 1694,1205 1694,1154.82 1756.77,1154.82 R31.2@1756.88,1154.93
RS485_RX: U3.28 U6.4 | length 3079.6
  Top Layer w20: v1(172,314) 172,287 199.29,259.71 199.29,179.25 U3.28@199.6,178.94 ; v1(2082,1297) 2135,1297 2149,1283 2149,1255 2131,1237 U6.4@2084.28,1237
  Bottom Layer w10: v1(172,314) 224,366 629,366 657,394 657,1004.19 736.81,1084 1980,1084 2017,1121 2017,1267 2044.26,1294.26 2079.26,1294.26 v1(2082,1297)
RS485_TX: R27.1 U3.27 U6.1 | length 2667.4
  Top Layer w15: R27.1@2078.5,1016 2081,1018.5 2081,1045.53 2084.28,1048.82 v1(2084.28,1058.46) U6.1@2084.28,1087
  Top Layer w20: U3.27@249.6,178.94 249.8,179.14 249.8,248.8 v1(250,249)
  Bottom Layer w10: v1(250,249) 309,308 666,308 718,360 718,964.67 787.33,1034 2059.83,1034 v1(2084.28,1058.46)
RST: C7.2 prog.6 R3.1 U3.3 | length 2420.3
  Top Layer w10: U3.3@-202,-528.12 U3.3@-200.4,-529.72
  Top Layer w20: U3.3@-202,-528.12 v1(-202,-479) ; v1(772,-385) 800,-385 826.13,-411.13 R3.1@846.13,-411.13 ; R3.1@846.13,-410.13 852,-416 908.5,-416 C7.2@911,-413.5
  Bottom Layer w10: -308,-528 -308,-406 -280,-378 759.18,-378 766.18,-385 v1(772,-385) ; v1@-202.75,-479.75 v1(-202,-479)
  Bottom Layer w15: -469,148 -469,59 -368,-42 -368,-508 -348,-528 -308,-528 -216,-528 -202.75,-514.75 v1@-202.75,-479.75
  Bottom Layer w30: -469,148 prog.6@-469,234.26
RXD0: prog.3 U3.34 | length 1251.6
  Top Layer w15: v1(-411,-80) -411,-77.39 -425,-63.39 -425,95 -404,116 -118.17,116 -100.4,133.77 U3.34@-100.4,178.94
  Bottom Layer w15: prog.3@-469,470.48 -474.2,465.28 -510.72,465.28 -527,449 -527,-34 -481,-80 v1(-411,-80)
SEG0: J1.33 U4.8 | length 881.4
  Top Layer w9.84: 753.14,999.81 753.14,635.86 989.84,399.16 U4.8@989.84,288.82
  Top Layer w10: 753.14,999.81 753.45,1000.12 J1.33@753.45,1072
SEG1: J1.34 U4.7 | length 879.2
  Top Layer w9.84: 733.46,999.81 733.46,628.54 964.88,397.12 U4.7@964.88,288.82
  Top Layer w10: 733.46,999.81 733.76,1000.12 J1.34@733.76,1072
SEG2: J1.35 U4.6 | length 877
  Top Layer w9.84: 713.77,999.81 713.77,615.23 939.84,389.16 U4.6@939.84,288.82
  Top Layer w10: 713.77,999.81 714.08,1000.12 J1.35@714.08,1072
SEG3: J1.36 U4.5 | length 874.8
  Top Layer w9.84: 694.09,999.81 694.09,604.91 914.88,384.12 U4.5@914.88,288.82
  Top Layer w10: 694.09,999.81 694.39,1000.12 J1.36@694.39,1072
SEG4: J1.37 U4.4 | length 872.5
  Top Layer w9.84: 674.4,999.81 674.4,595.6 889.84,380.16 U4.4@889.84,288.82
  Top Layer w10: 674.4,999.81 674.71,1000.12 J1.37@674.71,1072
SEG5: J1.38 U4.3 | length 870.4
  Top Layer w9.84: 654.72,999.81 654.72,584.28 864.88,374.12 U4.3@864.88,288.82
  Top Layer w10: 654.72,999.81 655.02,1000.12 J1.38@655.02,1072
SEG6: J1.39 U4.2 | length 868.1
  Top Layer w9.84: 635.03,999.81 635.03,573.97 839.84,369.16 U4.2@839.84,288.82
  Top Layer w10: 635.03,999.81 635.34,1000.12 J1.39@635.34,1072
SEG7: J1.40 U4.1 | length 866
  Top Layer w9.84: 615.35,999.81 615.35,564.65 814.88,365.12 U4.1@814.88,288.82
  Top Layer w10: 615.35,999.81 615.65,1000.12 J1.40@615.65,1072
SEG8: J1.32 U4.48 | length 414.7
  Top Layer w9.84: 772.83,999.81 772.83,745.37 814.88,703.31 U4.48@814.88,674.8
  Top Layer w10: 772.83,999.81 773.13,1000.12 J1.32@773.13,1072
SEG9: J1.31 U4.47 | length 436.7
  Top Layer w9.84: 792.51,999.81 792.51,757.74 839.84,710.41 U4.47@839.84,664.8 U4.47@839.84,655
  Top Layer w10: 792.51,999.81 792.82,1000.12 J1.31@792.82,1072
SEG10: J1.30 U4.46 | length 439
  Top Layer w9.84: 812.2,999.81 812.2,765.9 864.88,713.21 U4.46@864.88,664.8 U4.46@864.88,655
  Top Layer w10: 812.2,999.81 812.5,1000.12 J1.30@812.5,1072
SEG11: J1.29 U4.45 | length 441.1
  Top Layer w9.84: 831.88,999.81 831.88,774.05 889.84,716.09 U4.45@889.84,664.8 U4.45@889.84,655
  Top Layer w10: 831.88,999.81 832.19,1000.12 J1.29@832.19,1072
SEG12: J1.28 U4.44 | length 443.4
  Top Layer w9.84: 851.57,999.81 851.57,782.2 914.88,718.89 U4.44@914.88,664.8 U4.44@914.88,655
  Top Layer w10: 851.57,999.81 851.87,1000.12 J1.28@851.87,1072
SEG13: J1.27 U4.43 | length 445.5
  Top Layer w9.84: 871.25,999.81 871.25,790.36 939.84,721.77 U4.43@939.84,664.8 U4.43@939.84,655
  Top Layer w10: 871.25,999.81 871.56,1000.12 J1.27@871.56,1072
SEG14: J1.26 U4.42 | length 447.8
  Top Layer w9.84: 890.94,999.81 890.94,798.51 964.88,724.57 U4.42@964.88,664.8 U4.42@964.88,655
  Top Layer w10: 890.94,999.81 891.24,1000.12 J1.26@891.24,1072
SEG15: J1.25 U4.41 | length 440.1
  Top Layer w9.84: 910.62,999.81 910.62,810.98 989.84,731.76 U4.41@989.84,664.8
  Top Layer w10: 910.62,999.81 910.93,1000.12 J1.25@910.93,1072
SEG16: J1.24 U4.40 | length 442.4
  Top Layer w9.84: 930.31,999.81 930.31,824.54 1014.88,739.96 U4.40@1014.88,664.8
  Top Layer w10: 930.31,999.81 930.61,1000.12 J1.24@930.61,1072
SEG17: J1.23 U4.39 | length 444.5
  Top Layer w9.84: 949.99,999.81 949.99,834.91 1039.84,745.05 U4.39@1039.84,664.8
  Top Layer w10: 949.99,999.81 950.3,1000.12 J1.23@950.3,1072
SEG18: J1.22 U4.38 | length 446.8
  Top Layer w9.84: 969.68,999.81 969.68,843.35 1064.88,748.15 U4.38@1064.88,664.8
  Top Layer w10: 969.68,999.81 969.98,1000.12 J1.22@969.98,1072
SEG19: J1.21 U4.37 | length 448.9
  Top Layer w9.84: 989.36,999.81 989.36,858.19 1089.84,757.71 U4.37@1089.84,664.8
  Top Layer w10: 989.36,999.81 989.67,1000.12 J1.21@989.67,1072
SEG20: J1.20 U4.36 | length 451.2
  Top Layer w9.84: 1009.05,999.81 1009.05,869.84 1114.88,764 U4.36@1114.88,664.8
  Top Layer w10: 1009.05,999.81 1009.35,1000.12 J1.20@1009.35,1072
SEG21: J1.19 U4.35 | length 453.3
  Top Layer w9.84: 1028.73,999.81 1028.73,882.76 1139.84,771.65 U4.35@1139.84,664.8
  Top Layer w10: 1028.73,999.81 1029.04,1000.12 J1.19@1029.04,1072
SEG22: J1.18 U4.34 | length 455.6
  Top Layer w9.84: 1048.42,989.51 1048.42,898.88 1164.88,782.41 U4.34@1164.88,664.8
  Top Layer w10: 1048.42,989.51 1048.42,999.81 1048.72,1000.12 J1.18@1048.72,1072
SEG23: J1.17 U4.33 | length 457.6
  Top Layer w9.84: J1.17@1068.1,1072 1068.1,909.9 1189.84,788.16 U4.33@1189.84,664.8
SEG24: J1.16 U4.32 | length 459.8
  Top Layer w9.84: J1.16@1087.79,1072 1087.79,920.25 1214.88,793.16 U4.32@1214.88,664.8
SEG25: J1.15 U4.31 | length 462
  Top Layer w9.84: J1.15@1107.47,1072 1107.47,929.53 1239.84,797.16 U4.31@1239.84,664.8
SEG26: J1.14 U4.30 | length 464.2
  Top Layer w9.84: J1.14@1127.16,1072 1127.16,941.84 1264.88,804.12 U4.30@1264.88,664.8
SEG27: J1.13 U4.29 | length 466.4
  Top Layer w9.84: J1.13@1146.84,1072 1146.84,954.16 1289.84,811.16 U4.29@1289.84,664.8
SEG28: J1.12 U4.28 | length 468.6
  Top Layer w9.84: J1.12@1166.53,1072 1166.53,963.47 1314.88,815.12 U4.28@1314.88,664.8
SEG29: J1.11 U4.27 | length 470.8
  Top Layer w9.84: J1.11@1186.21,1072 1186.21,973.79 1339.84,820.16 U4.27@1339.84,664.8
Shunt-OUT: R39.2 R52.1 U3.37 | length 1087.5
  Top Layer w10: R39.2@141.5,1031 142,1030.5 v1@142,999.5 ; v1(142,1000) 142.25,999.75 142.25,969.24 R52.1@142.5,969
  Top Layer w20: v1(-278,359) -273.89,354.89 -261.89,354.89 -249,342 -249,180.34 U3.37@-250.4,178.94
  Bottom Layer w12: v1(-278,359) -272.72,359 -265.48,366.24 -253.76,366.24 -79,541 -79,779 v1(142,1000)
SW1: R44.2 S2.2 U3.5 | length 1382.6
  Top Layer w12: v1(-322,-274) -220.68,-375.32 -201.68,-375.32 -99.43,-477.57 -99.43,-490
  Top Layer w20: U3.5@-100.4,-529.72 -99.43,-528.75 -99.43,-490
  Top Layer w40: S2.2@29.5,429 30,429.5 v1(30,470) R44.2@30,489.54
  Bottom Layer w12: v1(-322,-274) -322,242 -123,441 1,441 v1(30,470)
SW2: R45.2 S2.1 U3.6 | length 1271.4
  Top Layer w12: v1(-265,-251) -261.25,-254.75 -261.25,-270.75 -50.4,-481.6 -50.4,-498
  Top Layer w20: v1(-56,337) 20.5,337 30.5,327 37.76,334.26 128.69,334.26 135.5,341.07 R45.2@135.5,345.99 ; U3.6@-50.4,-529.72 -50.4,-498
  Bottom Layer w12: v1(-265,-251) -265,-248.39 -279,-234.39 -279,133.12 -83.12,329 -69.82,329 -61.82,337 v1(-56,337)
TXD0: prog.4 U3.35 | length 562.6
  Top Layer w20: v1(-247,436) -204,436 -150.4,382.4 U3.35@-150.4,178.94
  Bottom Layer w20: prog.4@-469,391.74 -349.1,391.74 -304.84,436 v1(-247,436)
pads on no net: Bz1.3 Bz1.4 J1.3 J1.4 J1.5 J1.6 KEY1.0 RL1.0 RL2.0 U3.17 U3.18 U3.19 U3.20 U3.21 U3.22 U3.32 U4.10 U4.14 U4.15 U4.18 U4.19 U4.20 U4.25 U4.26 U7.6 U7.7 U7.8 U7.11 U7.12 U7.13 U7.14 U8.0

## Polygon pours and split planes (outlines as drawn)
NetRL2_3 on Bottom Layer "NETRL2_3_L02_P007" (solid, pour order 7): 1801.99,2489.97 1699.18,2490.02 ccw(c1699.16,2426.9) 1654.52,2471.52 1550.92,2367.92 cw(c1447.45,2508.72) 1421,2336 cw(c1356.5,3456.65) 1338.55,2334.29 ccw(c1336.39,2200.21) 1227.81,2278.91 ccw(c1443.84,2122.26) 1177,2122.25 1177,1908.39 cw(c973.4,1908.34) 1117.33,1764.33 1068.65,1715.65 cw(c976.14,1808.17) 988.63,1677.93 ccw(c1000.34,1555.9) 878.71,1571.25 864,1454.78 864,1389.33 ccw(c909.18,1385.34) 877.73,1352.66 915.19,1316.6 ccw(c929.48,1331.44) 945.24,1318.19 976.5,1355.37 ccw(c946.21,1380.84) 984.98,1372.88 1009.93,1412.01 cw(c1189.1,1297.77) 1096.09,1488.82 ccw(c1018.91,1647.39) 1140.94,1520.08 1295.9,1668.56 ccw(c1005.81,1971.35) 1382.1,1786.32 cw(c1708.2,1721.3) 1457.64,1939.9 ccw(c1233.36,2065.63) 1490,2050.02 cw(c1767.36,2050.11) 1526.48,2187.6 cw(c1627.57,2129.9) 1627.57,2246.3 ccw(c1627.57,2269.87) 1650.6,2274.87 cw(c1739.54,2267.22) 1734.38,2356.34 cw(c1740.56,2257.34) 1737.05,2356.47 cw(c1764.63,1670.52) 1785.87,2356.69 ccw(c1787.37,2405.57) 1835.54,2397.2 cw(c2187.32,2336.07) 1845.43,2439.01 ccw(c1802.01,2445.99)
GND on Bottom Layer "NONET_L-01_P-001" (solid, remove dead copper, pour order 4): 1454.71,1202.56 1723.56,1202.56 ccw(c1723.56,1292) 1813,1292 1813,1586.69 cw(c1923.74,1586.69) 1923.75,1697.43 2346.57,1697.43 cw(c2346.57,1567) 2477,1567 2477,1202.57 2477,-453 cw(c2371,-453) 2371,-559 -212,-559 cw(c-212,-438.31) -332.69,-438.31 -332.69,153.43 ccw(c-373.94,153.43) -373.94,194.69 -469.69,194.69 cw(c-469.69,247.44) -522.44,247.44 -522.44,461.56 cw(c-455,461.56) -455,529 -165.7,529 ccw(c-165.7,625.79) -68.91,625.79 -68.91,720.83 cw(c238.67,720.83) 21.18,938.32 179.2,1096.34 cw(c435.65,839.89) 435.65,1202.56
NU-RCCB-OUT on Bottom Layer "NU-RCCB-OUT_L02_P006" (solid, pour order 6): 228,2130 cw(c428.33,2130.02) 286.68,2271.68 601.82,2586.82 cw(c783.33,2405.31) 783.33,2662 1047.94,2662 ccw(c1047.94,2712.06) 1098,2712.06 cw(c1179.94,2712.06) 1179.94,2794 1932.34,2794 cw(c1932.34,2692.34) 2034,2692.34 2034,2480 cw(c1964,2480) 1964,2410 cw(c1964,2470) 1904,2470 1904,2492 ccw(c1848,2492) 1848,2548 1585,2548 ccw(c1585,2495) 1532,2495 1532,2464 cw(c1478.01,2463.99) 1478,2410 986.97,2410 ccw(c986.96,2336.04) 913,2336.03 913,2324 cw(c796.01,2323.99) 796,2207 592.94,2207 ccw(c592.92,2040.62) 475.25,2158.25 458.34,2141.34 cw(c331.99,2267.67) 331.98,2089 269,2089 cw(c269,2130)
GND on Top Layer "TOP_GND" (solid, remove dead copper, pour order 0): -332.88,-497.24 -332.88,84.88 ccw(c-399,84.88) -354.61,133.88 cw(c-263.9,234) -399,234 ccw(c-491.42,244) -481.42,336.42 cw(c-481.44,377.42) -522.44,377.44 -522.44,497.56 cw(c-470,497.56) -470,550 -120,550 ccw(c-120,607) -63,607 -63,744.84 cw(c181.86,744.84) 8.72,917.99 212.18,1121.45 cw(c389,944.64) 389,1194.69 1716.69,1194.69 ccw(c1716.69,1284) 1806,1284 1806,1584 cw(c1918,1584) 1918,1696 2350,1696 cw(c2350,1569) 2477,1569 2477,1270.47 2477,-382 cw(c2313.53,-382) 2313.53,-545.47 -284.65,-545.47 cw(c-284.65,-497.24)

## Keep-outs
Keep-Out Layer:
  lines w3.94: 1625.76,218.24 cw(c1625.76,198) 1646,198 cw(c1626.87,198) 1626.87,178.87 ; 1626.76,218.5 513.78,218.5 ccw(c513.78,198.82) 494.09,198.82 ccw(c513.78,198.82) 513.78,179.13 1627.87,179.13
  lines w5: -551.19,-545.47 -551.19,360.04 -551.19,541.15 -551.17,596.27 -522.44,596.27 -522.44,871.86 -551.17,871.86 -551.17,2013.59 -522.44,2013.59 -522.44,2289.18 -551.17,2289.18 -551.19,2289.2 -551.17,2761.62 cw(c-472.45,2761.62) -472.45,2840.36 -173.24,2840.36 ccw(c-173.24,2919.1) -94.5,2919.1 2499.99,2919.1 2499.99,-584.84 -511.82,-584.84 -551.19,-545.47
  lines w39.37: -310,528 ccw(c-226.81,706.41) -143.61,528 ; 283.69,1237.19 ccw(c334.64,1427.33) 385.59,1237.19 ; 480.54,1236.83 ccw(c531.49,1426.97) 582.44,1236.83 ; 677.39,1236.83 ccw(c728.34,1426.97) 779.29,1236.83 ; 874.24,1236.83 ccw(c925.19,1426.97) 976.14,1236.83

## Other copper
Top Layer:
  pour cut-out: -499,313 -429.89,313 -429.89,465.28 -497.01,465.28
  pour cut-out: 1771.83,524.69 1771.83,515.31 2030.17,515.31 2030.17,524.69
  region net NetF1_1: -310,615 ccw(c-416,615) -416,721 -453,721 cw(c-453,773) -505,773 -505,853 cw(c-465.43,853) -465.43,892.57 -204.57,892.57 cw(c-204.57,857.92) -169.92,857.92 -169.92,626.22 cw(c-214.68,626.22) -212.61,581.51 -272.04,578.76 cw(c-273.72,615)
  region net AC_L: -471.08,1138 -390.44,1138 ccw(c-390.44,1202.86) -325.57,1202.86 -325.57,1414.55 cw(c-267.15,1414.55) -267.15,1472.98 154.57,1473 ccw(c154.57,1643.02) 274.8,1522.8 ccw(c153.61,1643.99) 325,1643.97 ccw(c228.45,1644) 296.71,1712.29 47.8,1961.2 ccw(c-36.19,1877.24) -36.21,1996 -100,1996 ccw(c-100,1957) -139,1957 -139,1951.46 ccw(c4.52,1951.45) -96.96,1849.96 -36.9,1789.9 ccw(c15.97,1842.78) 15.97,1768 27.86,1768 cw(c27.9,1695.35) 79.31,1746.69 103.21,1722.79 cw(c30.13,1649.61) 127.84,1683.51 cw(c54.06,1657.84) 51.36,1579.77 cw(c72.28,2184.59) -28.11,1587.8 -316.57,1636.32 ccw(c-322.39,1601.74) -357.15,1606.41 cw(c-429.6,1616.13) -412.75,1545 -469.92,1545 ccw(c-469.96,1495.85) -519.11,1495.94 -519.9,1186.96 ccw(c-471.06,1186.83)
  region net NetRL2_3: 1696,2408 1834,2408 ccw(c1834,2456) 1882,2456 1882,2739.82 ccw(c1832.82,2739.82) 1832.82,2789 1696.55,2789 ccw(c1696.55,2739.47) 1647.02,2739.46 1647.03,2456.97 ccw(c1696,2456.97)
  region net AC_N: 580,1355 580,1366.13 cw(c719.71,1366.13) 620.92,1464.92 644.35,1488.35 ccw(c531.72,1600.98) 691,1600.98 691,2380 ccw(c619,2380) 619,2452 399.67,2452 ccw(c399.67,2242.77) 251.72,2390.72 129.65,2268.65 cw(c-43.32,2441.61) -43.33,2197 -83,2197 ccw(c-83,2148) -132,2148 -132,2136 ccw(c-78.89,2136) -78.89,2082.9 34.3,2082.9 ccw(c34.3,2207.47) 122.38,2119.38 192.25,2189.25 cw(c276.14,2105.37) 276.14,2224 497.77,2224 cw(c497.77,2164.77) 557,2164.77 557,1743.28 cw(c411.47,1743.28) 514.37,1640.37 ccw(c631.15,1523.59) 466,1523.59 466,1365 ccw(c498,1365) 498,1333 558,1333 ccw(c558,1355)
  region net NetRL3_3: 1072,1336 1072,1623.05 cw(c1119.95,1623.05) 1119.95,1671 1132,1671 ccw(c1132,1717) 1178,1717 1178,1795 cw(c1226,1795) 1226,1843 1533,1843 cw(c1533,1807) 1569,1807 cw(c1416.91,1807) 1524.45,1699.45 1329.62,1504.62 cw(c1254.67,1579.57) 1266.63,1474.25 ccw(c1274.11,1408.44) 1227.27,1455.27 1204.74,1432.74 ccw(c1269.29,1368.19) 1178,1368.18 1178,1330 cw(c1151,1330) 1151,1303 1105,1303 cw(c1105,1336)
  region net CoM-L: 791,1895 1599.92,1895 ccw(c1599.92,2148.69) 1779.3,1969.31 1848.32,2038.32 ccw(c1747.71,2138.94) 1890,2138.94 1890,2280 ccw(c1847,2280) 1847,2323 1724,2323 ccw(c1724,2277) 1678,2277 1678,2154 cw(c1633,2154) 1633,2109 791,2109 ccw(c791,2056) 738,2056 738,1948 ccw(c791,1948)
  region net 3V3: 2378,1049.35 2378,1134 2421.31,1177.31 2421.31,1334.79 2299.26,1334.79 2299.26,1179.28 2342.57,1135.97 2342.57,1049.35
Bottom Layer:
  region net NetRL1_2: 682,1362.84 682,1404.96 ccw(c554.05,1404.97) 676.04,1443.55 ccw(c603.09,1420.49) 592.12,1496.22 cw(c573.97,1621.46) 447.99,1609.47 cw(c939.1,1676.57) 444.15,1649.81 438.12,1761.32 cw(c485.8,1761.33) 485.8,1809 779,1809 cw(c779,1762) 826,1762 826,1698 824,1696 824,1588.31 cw(c753.28,1588.3) 803.27,1538.27 794.14,1529.14 ccw(c847.57,1475.7) 772,1475.69 772,1366.19 cw(c740.47,1366.18) 740.81,1334.65 710.84,1334.32 cw(c710.53,1362.85)
  region net NetF1_2: 275.5,1373.49 ccw(c258.99,1373.49) 258.99,1390 -114,1390 ccw(c-114,1346) -158,1346 -158,1138 cw(c-194,1138) -194,1102 -267,1102 cw(c-267,1137) -302,1137 -302,1471 cw(c-207,1471) -207,1566 303,1566 cw(c303,1477) 392,1477 392,1370.75 cw(c359.81,1370.75) 361.28,1338.59 314.29,1336.44 cw(c312.59,1373.49)
  region net NetRL4_1: 2415,2094 2415,2025 cw(c2355,2025) 2355,1965 2235.91,1965 ccw(c2235.91,1454.82) 1865,1805.12 1832.78,1771.01 ccw(c2015.96,1598) 1764,1598 cw(c1659,1598) 1659,1493 1613.73,1493 ccw(c1613.73,1257.06) 1446.89,1423.89 1393.49,1370.49 cw(c1353.69,1410.28) 1353.69,1354 1295,1354 cw(c1295,1390) 1281.22,1423.26 1938.53,2080.57 cw(c2084.42,1934.68) 2084.42,2141 2368,2141 cw(c2368,2094)
  region net CoM-L: 222,1978 222,1913 ccw(c252,1913) 252,1883 849.91,1883 ccw(c849.91,2085.41) 1004.65,1954.94 ccw(c922.36,2024.32) 1030,2024.32 1030,2035 ccw(c967.83,2035) 967.83,2097.17 539.91,2097.17 ccw(c539.91,1929.85) 421.6,2048.16 cw(c336.72,2133.03) 336.72,2013 323,2013 257,2013 ccw(c257,1978)

## Silkscreen, mask and mechanical layers (free items; w line width, h text height)
Top Overlay:
  circle w3.94: c950.96,-21.05 r15.75
  circle w3.94: c1010.08,-9.28 r86.61
  rectangle: 605,730 1395,945
  rectangle: 385.82,-321.06 450.78,-29.72
  region: 924.69,23.51 ccw(c1021.91,-22.32) 984.69,78.51 cw(c1010.66,-10.05)
  region: 935.54,-19.99 939.04,-31.49 950.04,-36.49
  lines w3.94: 939.04,-10.99 ccw(c954.89,-17.25) 961.09,-33.12 ; 954.37,-43.62 cw(c950.96,-21.05) 954.57,1.5 ; 954.65,-43.4 ccw(c1021.92,-21.12) 954.85,1.75
  text "3V3" at -382.33,591.33 h27.56 r90
  text "GND" at -512.33,518.26 h27.56 r90
  text "RX" at -512.33,448.33 h27.56 r90
  text "TX" at -512.33,367.33 h27.56 r90
  text "IO0" at -512.33,294.33 h27.56 r90
  text "RST" at -512.33,206.33 h27.56 r90
  text "B38 - V.2.0" at 1188.68,12 h118.11
  text "Hardware Department" at 1189.75,-94.61 h70.87
  text "1402/06/05" at 1188.71,-152.79 h70.87
Top Solder:
  lines w40: -495.43,1418.57 -455.75,1418.57 ; -455.75,1190.6 -455.75,1418.57 ; -77,1952.98 -44.98,1952.98 247,1661 247,1572 214,1539 -313,1539 -433.43,1418.57 -455.75,1418.57 ; 126.91,1437.46 126.91,1524 ; -455.75,1418.57 -455.75,1418.57
Bottom Solder:
  lines w60: -237,1176 -229,1168 ; -237,1386.5 -229,1386.5 -199.94,1415.56 -199.94,1439.85 -139.8,1500 263.5,1500 323.65,1439.85 323.65,1351.35 334.64,1340.36 ; 330.75,2130.8 358.1,2158.15 358.1,2162.1 806,2610 1912,2610 1975.29,2673.29 1975.29,2736.23 1982.7,2743.64 ; 480.36,1760.15 719,1760.15 ; 728.34,1340.36 728.34,1750.81 719,1760.15 ; 778,1760.15 719,1760.15 ; 925.19,1340.36 925.19,1475.19 1257,1807 1257,2004 1691.59,2438.59 1763.61,2438.59 1767.44,2442.41 1780.69,2442.41 1784.28,2446 ; 1318.89,1340.36 1326.65,1348.12 1326.65,1378.65 1558,1610 1980,2032 2350.53,2032
  lines w100: -237,1176 -237,1386.5
Mechanical 15:
  circle w0.5: c0,0 r118.11
  circle w0.5: c1023.62,-23.25 r118.11
  circle w0.5: c2047.24,0 r118.11
  circle w0.5: c1535.43,-23.35 r118.11
  circle w0.5: c511.81,-23.35 r118.11
  lines w0.5: 2499.99,-584.84 2499.99,2919.1 -94.49,2919.1 cw(c-173.26,2919.13) -173.23,2840.36 -472.45,2840.36 ccw(c-472.42,2761.59) -551.19,2761.62 -551.19,2289.18 -522.46,2289.18 -522.46,2013.59 -551.19,2013.59 -551.19,871.86 -522.46,871.86 -522.46,596.27 -551.19,596.27 -551.19,-545.46 -511.82,-584.83 2499.99,-584.83